# KiCad board default.kicad_pcb (continued)
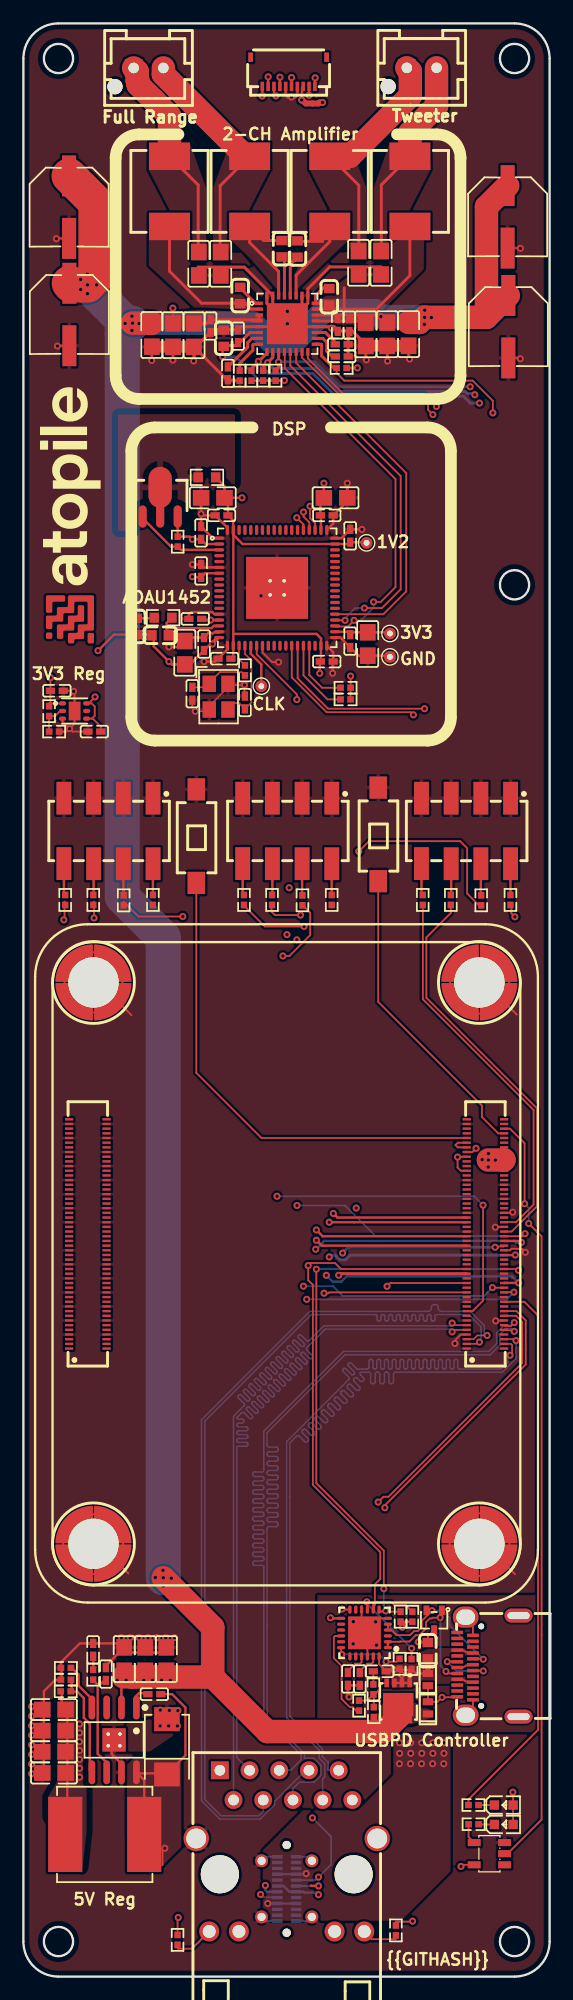
[diagram p0: board, top side]
## Routing (per net, layer and track width the routed paths; a pad name or vN(x,y) marks a point on that pad's centre or on a via; arc(x,y) is an arc through that point) (continued)
i2s_ins[0]-SD: length 104.9
  Top w0.15: v1(23.38,124.73) 23.95,124.16 23.95,123.69 ; CN1.88 41.13,58.52 v1(41.95,58.52) ; 8.57,91.92 9.84,90.64 v1(13.63,90.64)
  In1.Cu w0.15: v1(22.73,93.09) 20.28,90.64 v1(13.63,90.64)
  In2.Cu w0.15: v1(23.38,124.73) 23.38,121.38 23.91,120.85 23.91,99.4 23.3,98.79 22.96,98.45 22.96,93.32 22.64,93 22.64,92.54 22.46,92.36 22.46,90.03 22.01,89.58 22.01,88.7 23.02,87.69 23.02,68.1 22.57,67.65 22.57,59.57 v1(24.23,57.91)
  Bottom w0.15: v1(41.95,58.52) 41.33,57.9 24.23,57.9 v1(24.23,57.91)
i2s_ins[0]-WS: length 102
  Top w0.15: v1(25.71,58.43) 26.08,58.43 26.15,58.5 CN1.13 ; v1(6.04,90.51) 6.04,91.92 ; 24.45,123.69 24.45,124.33 23.95,124.83 v1(23.95,125.22)
  In1.Cu w0.15: v1(22.54,89.09) 21.67,89.96 6.81,89.96 6.26,90.51 v1(6.04,90.51)
  In2.Cu w0.15: v1(25.71,58.43) 25.67,58.39 25.67,58.56 25.45,58.78 25.41,58.78 25.1,59.09 25.1,59.13 23.15,61.08 23.15,65.43 22.87,65.71 22.87,66.21 23.32,66.66 23.32,87.82 22.4,88.74 22.4,88.95 v1(22.54,89.09) 22.76,89.31 22.76,92.24 23.32,92.8 ; 23.32,92.8 23.32,98.04 23.32,98.39 24.21,99.28 24.21,124.96 v1(23.95,125.22) ; 23.32,92.8 23.32,92.74
input-pins[94]: length 65.1
  Top w0.15: CN1.53 41.61,72.5 42.86,71.25 v1(42.86,66.08) ; U2.2 41.4,10.51 44.31,13.42 44.31,63.29 v1(43.21,64.39)
  Bottom w0.15: v1(42.86,66.08) 43.21,65.73 v1(43.21,64.39)
led_data: length 130.5
  Top w0.2: v1(42.59,62.77) 42.46,62.9 CN1.77 ; v1(20.42,160.79) 20.43,160.8 FPC1.1
  In2.Cu w0.2: v1(25,62.19) 24.15,63.04 24.15,64.21 24.55,64.61 24.55,97.88 30.12,103.45 35.87,109.2 35.87,143.41 20.83,158.45 20.42,158.86 v1(20.42,160.79)
  Bottom w0.2: v1(42.59,62.77) 42.12,62.77 41.98,62.91 25.72,62.91 25.6,62.79 25.6,62.73 25.28,62.41 25.22,62.41 v1(25,62.19)
nfc_interrupt: length 122
  Top w0.2: v1(25.05,63.84) 25.59,63.3 CN1.25 ; FPC1.3 21.43,160.85 21.48,160.8 v1(21.59,160.8)
  In2.Cu w0.2: v1(21.59,160.8) 21.59,158.68 36.6,143.67 36.6,108.92 25.25,97.57 25.25,64.04 v1(25.05,63.84)
nfc_reset: length 132.6
  Top w0.2: CN1.86 41.12,59.31 v1(42.35,59.31) ; v1(21.94,162.4) 21.93,162.39 FPC1.4
  In2.Cu w0.2: v1(25.9,59.97) 25.6,60.26 25.6,97.43 36.95,108.77 36.95,143.82 22.14,158.63 22.14,162.2 v1(21.94,162.4)
  Bottom w0.2: v1(25.9,59.97) 26.45,59.41 27.19,59.41 27.65,59.87 41.79,59.87 v1(42.35,59.31)
nOE: length 5.2
  Top w0.127: R21.2 18.67,111.54 16.8,111.54 15.9,110.64 X1.1 15.6,110.24 C48.1
OUT_Aneg_N: length 10.2
  Top w0.25: C5.2 20.55,148.43 L1.1 19.35,148.27 21.82,145.79 U1.30
OUT_Apos_P: length 12.8
  Top w0.25: U1.2 19.47,142.57 18.96,143.08 15.22,143.08 12.49,145.81 L2.1
OUT_Bneg_N: length 10.8
  Top w0.25: C9.2 23.48,148.37 25.57,148.37 25.57,149.01 L3.1 26.2,148.34 23.32,145.47 U1.27
OUT_Bpos_P: length 15.3
  Top w0.25: 27.57,142.57 30.18,142.57 33.05,145.44 L4.1 ; 27.57,142.57 U1.23 ; 27.57,142.57 27.44,142.7 27.44,144.38
PLLFILT: length 6.3
  Top w0.2: R23.1 12.25,115.74 12.25,115.44 ; U24.16 16.3,115.49 16.1,115.3 12.39,115.3 12.25,115.44 ; 12.25,115.44 12.25,114.69
power_1v8-VCC: length 2.1
  Top w0.15: CN1.45 37.15,71.3 36.94,71.09 37.14,70.9 CN1.44
power_button: length 41.7
  Top w0.15: CN1.46 20.36,71.7 14.79,77.27 SW2.1
power_digital-VCC: length 40.6
  Top w0.2: R22.2 17.2,127.44 C36.1 ; U24.71 17.95,124.49 C39.1 17.5,126.14 C36.1 ; v1(25.35,111.44) 25.35,112.39 C41.1 25.45,112.49 U24.35 ; C36.1 v1(18.7,126.44) ; U24.20 17.95,112.89 C40.1 ; 25.45,113.78 25.45,114.41 25.06,114.8 17.95,114.8 ; 17.95,114.8 17.95,123.69 17.95,123.28 18.75,122.48 26.65,122.48 ; 17.95,114.8 17.95,113.78 ; TP4.1 29.3,122.64 C42.1 27.8,122.49 U24.53
power_vbus-VCC: length 16.9
  Top w0.15: 38.07,25.12 37.47,25.47 ; U20.24 30.42,26.71 C33.2 ; Q1.2 32.38,25.77 v1(32.35,25.8) ; USB1.A9 37.43,27.92 37.48,27.97 38.09,27.62 38.39,27.62 USB1.B4
  Top w0.2: R14.1 33.04,26.13 v1(33.04,25.8) Q1.1 Q1.3 ; R14.1 33.14,26.24 v1(31.68,26.24) 30.99,26.24 ; R14.1 33.57,25.91 D5.1 v1(34.59,26.49) 34.59,27.16 C30.2
  Bottom w0.2: v1(24.18,8.81) 24.13,8.75 U23.A4 U23.B9 ; U23.A9 U23.B4 v1(20.9,6.25)
  vias: v1(32.17,19.99) v1(32.16,18.2) v1(32.17,19.09) v1(33.12,19.99) v1(33.12,19.09) v1(33.1,18.2) v1(34.06,19.99) v1(34.05,18.2) v1(34.07,19.09) v1(35.01,19.99) v1(35.02,19.09) v1(35,18.2) v1(35.96,19.99) v1(35.97,19.09) v1(35.94,18.2)
RT_CLK: length 4
  Top w0.2: 5.75,23.1 5.75,23.84 4.72,24.87 4.72,25.82 4.13,26.41 4.15,26.41
RX: length 32.8
  Top w0.15: CN1.73 41.12,64.51 42.14,64.51 43.63,66 43.63,74.1 34.16,83.56 34.16,91.73
spkr_full_n: length 19.3
  Top w0.25: L1.2 16.82,153.11 16.82,148.16
  Top w2: L1.2 18.98,155.64 11.97,162.65 U21.2
spkr_full_p: length 17.3
  Top w0.25: L2.2 14.95,153.18 14.95,148.16
  Top w2: U21.1 9.73,162.89 9.73,162.12 9.82,162.03 9.82,161.76 12.49,159.08 L2.2
spkr_tweet_n: length 20.7
  Top w0.25: C11.1 28.69,147.55 28.69,153.15 L3.2
  Top w2: U22.1 33.09,162.9 33.09,160.81 27.92,155.64 L3.2
spkr_tweet_p: length 17.6
  Top w0.25: C12.1 30.61,147.55 30.61,153.19 L4.2
  Top w2: U22.2 35.33,159.92 33.05,157.64 L4.2
touch_interrupt: length 124.8
  Top w0.2: FPC1.2 v1(20.93,162.43) ; CN1.23 25.51,62.5 v1(25.05,62.96)
  In2.Cu w0.2: v1(20.93,162.43) 20.97,162.39 20.97,158.81 36.22,143.56 36.22,109.05 24.9,97.73 24.9,64.47 24.5,64.07 24.5,63.51 v1(25.05,62.96)
uart-SCLK: length 34.3
  Top w0.15: R25.1 36.55,90.94 34.46,88.85 34.46,83.69 43.93,74.22 43.93,65.88 41.75,63.7 CN1.75
usb_connector-usb2-USB_D-0_N: length 5.2
  Top w0.15: USB1.B7 39.3,26.17 v1(39.33,26.13) ; v1(36.24,26.93) 36.25,26.92 USB1.A7
  Bottom w0.15: v1(39.33,26.13) 37.04,26.13 v1(36.24,26.93)
usb_connector-usb2-USB_D-0_P: length 1.5
  Top w0.15: USB1.B6 38.42,26.69 38.02,26.69 37.47,26.37 37.16,26.37 USB1.A6
usb_connector-usb2-USB_D-1_N: length 3.8
  Bottom w0.2: U23.B7 22.25,7.75 22.75,7.25 U23.A7 23.94,7.25 24.01,7.18 25.05,7.18 v1(25.23,7)
usb_connector-usb2-USB_D-1_P: length 9
  Top w0.2: 24.59,7.79 24.62,7.75 v1(25.23,7.75)
  In2.Cu w0.2: v1(25.23,7.75) 24.55,7.75 24.1,7.3 21.19,7.3 v1(20.69,7.79)
  Bottom w0.2: U23.A6 25.23,7.75 v1(25.23,7.75) ; U23.B6 20.84,7.25 20.69,7.4 v1(20.69,7.79)
VDRIVE: length 7.8
  Top w0.2: U24.3 13.47,121.99 R24.2 12.63,122.26 10.2,124.69 Q2.3
VR_DIG: length 4
  Top w0.25: U1.7 19.54,140.07 19.17,139.7 19.17,139.32 17.49,137.64 C19.1 ; 17.49,137.44 17.49,137.56
VREG_1V2-VCC: length 2.1
  Top w0.15: C31.2 27.75,26.13 28.38,26.75 28.79,26.75 28.92,26.88 U20.21
VREG_2V7-VCC: length 2.1
  Top w0.15: C32.2 28.77,26.12 29.4,26.75 29.79,26.75 29.92,26.88 U20.23
XTALIN_MCLK: length 1.9
  Top w0.127: U24.21 18.45,112.62 R21.1
XTALOUT: length 7.7
  Top w0.127: U24.22 18.95,113.09 19.5,112.54 19.5,108.94 C49.1 18.45,108.89 18.05,108.89 X1.3
Y: length 1.8
  Top w0.15: R7.2 38.07,11.94 U2.4

## Copper pours and planes (outline as drawn; the poured copper is in the pictures)
3v3_vcc on Bottom, In1.Cu: -0.01,167.13 45.13,167.13 45.13,0.02 45,-0.11 -0.01,-0.11 -0.01,0.03 0.25,0.29 -0.01,0.55
5v_vcc on Top: 2.11,15.37 2.91,16.73 2.91,23.5 3.07,23.61 4.45,23.61 5.4,22.66 5.4,12.41 5.02,8.96 2.13,13.64
20v_vcc on Top: 35.02,22.17 33.21,21.58 30.88,21.66 29.71,21.94 30.84,23.49 33.1,23.6 35.03,22.7
20v_vcc on Top: 8.4,22.21 9.75,23.56 9.75,25.73 9.08,26.41 8.03,26.41 7.4,25.78 7.4,22.88 8.08,22.21
20v_vcc on Top: 20.46,142.23 14.91,142.52 10.31,142.02 10.3,140.69 16,141.13 20.47,141.44
20v_vcc on Top: 24.67,141.07 33.57,140.76 33.57,142.13 24.63,142.21
gnd on Top, In2.Cu: 0,167.13 45.14,167.13 45.14,0.02 45.01,-0.11 0,-0.11 0,0.03 0.26,0.29 0,0.55
(no net) on Top: 7.7,26.45 12.9,26.42 12.87,24.98 10.97,25.01 8.92,25.02 7.7,25.01
(no net) on Top: 7.3,29.48 13.25,29.48 13.23,26.76 12.8,26.76 8.6,26.81 7.28,26.81
(no net) on Top: 0.08,16.86 0.08,23.88 2.45,23.88 2.75,23.58 2.75,16.83
(no net) on Top: 24.68,141.45 28.66,140.81 29.99,142.18 24.64,142.19
(no net) on Top, Bottom: 44.93,20.91 25.54,20.91 25.14,21.31 25.14,32.6 25.16,32.62 44.91,32.62 44.93,32.6
bootstrap_capacitor-cathode on Top: 8.85,18.11 9.45,18.71 13.2,18.71 13.5,18.41 13.5,11.08 11.6,9.18 8.85,11.93
collector on Top: 18.1,123.59 8.1,123.59 8.1,133.59 18.1,133.59
dsp-net on Top: 6.77,21.25 11.24,22.08 13.35,20.96 10.81,19.25 8.74,19.23 6.76,19.24
dsp-net on Top: 21.29,142.74 21.46,144.02 18.61,147.39 13.88,147.32 13.89,145.47 17.17,145.05 19.17,144.65
dsp-net on Top: 24.09,142.84 23.54,144.1 27.08,147.42 31.23,147.5 31.26,145.53 27.97,145.12 25.97,144.52
OUT_Aneg_N on Top: 21.09,150.75 21.04,148.46 21.97,145.45 21.97,143.4 21.71,143.39 21.72,144.22 19.45,146.85 17.63,148.59 17.6,150.83
OUT_Apos_P on Top: 20.82,142.7 18.55,144.81 14.15,148.62 10.73,150.78 10.72,146.3 14.82,142.5 20.2,142.45
OUT_Bneg_N on Top: 24.48,150.78 24.44,148.42 23.19,145.53 23.19,143.48 23.46,143.47 23.45,144.29 26.17,146.92 27.87,148.54 27.9,150.8
OUT_Bpos_P on Top: 24.77,142.72 27.05,144.83 31.88,148.42 34.26,148.75 34.24,145.98 30.77,142.52 25.39,142.46
power_vbus-VCC on Top: 38.93,25.02 34.22,25.02 33.1,24.74 31.57,24.68 30.52,26.51 34.89,28.11 38.47,28.05 38.94,27.8 38.93,27.8 38.93,25.03
power_vbus-VCC on Top, In1.Cu: 20.47,4.78 32.3,4.78 36.53,9.01 36.53,20.84 31.63,20.84 31.63,17.23 28.62,14.22 23.91,14.22 20.47,10.78
power_vbus-VCC on In2.Cu: 31.63,17.23 31.63,20.82 30.64,21.81 30.64,26.66 30.86,26.88 34.92,26.88 36.37,25.43 36.37,21 36.53,20.84 36.53,17.2 31.66,17.2
spkr_full_n on Top: 21.09,154.55 17.52,147.54 16.22,147.58 16.25,153.03 17.67,156.82 21.08,156.82
spkr_full_p on Top: 10.71,154.49 14.35,147.52 15.64,147.56 15.61,153 14.21,156.81 10.74,156.79
spkr_tweet_n on Top: 24.48,154.51 28.06,147.49 29.35,147.52 29.32,152.97 27.89,156.8 24.48,156.8
spkr_tweet_p on Top: 34.81,154.51 31.23,147.5 29.94,147.53 29.97,152.98 31.33,156.81 34.79,156.81

Small or netless copper shapes (teardrops, artwork), in the pictures only: 5 on Top

## Text on the board
F.Silkscreen: 3V3 Reg | 5V Reg | ADAU1452 | 2-CH Amplifier | CLK | DSP | USBPD Controller | 1V2 | {{GITHASH}} | 3V3 | GND | Full Range | Tweeter
